# Altium PCB TIDA-010933-RevA.PcbDoc (part 7 of 9) (continued)
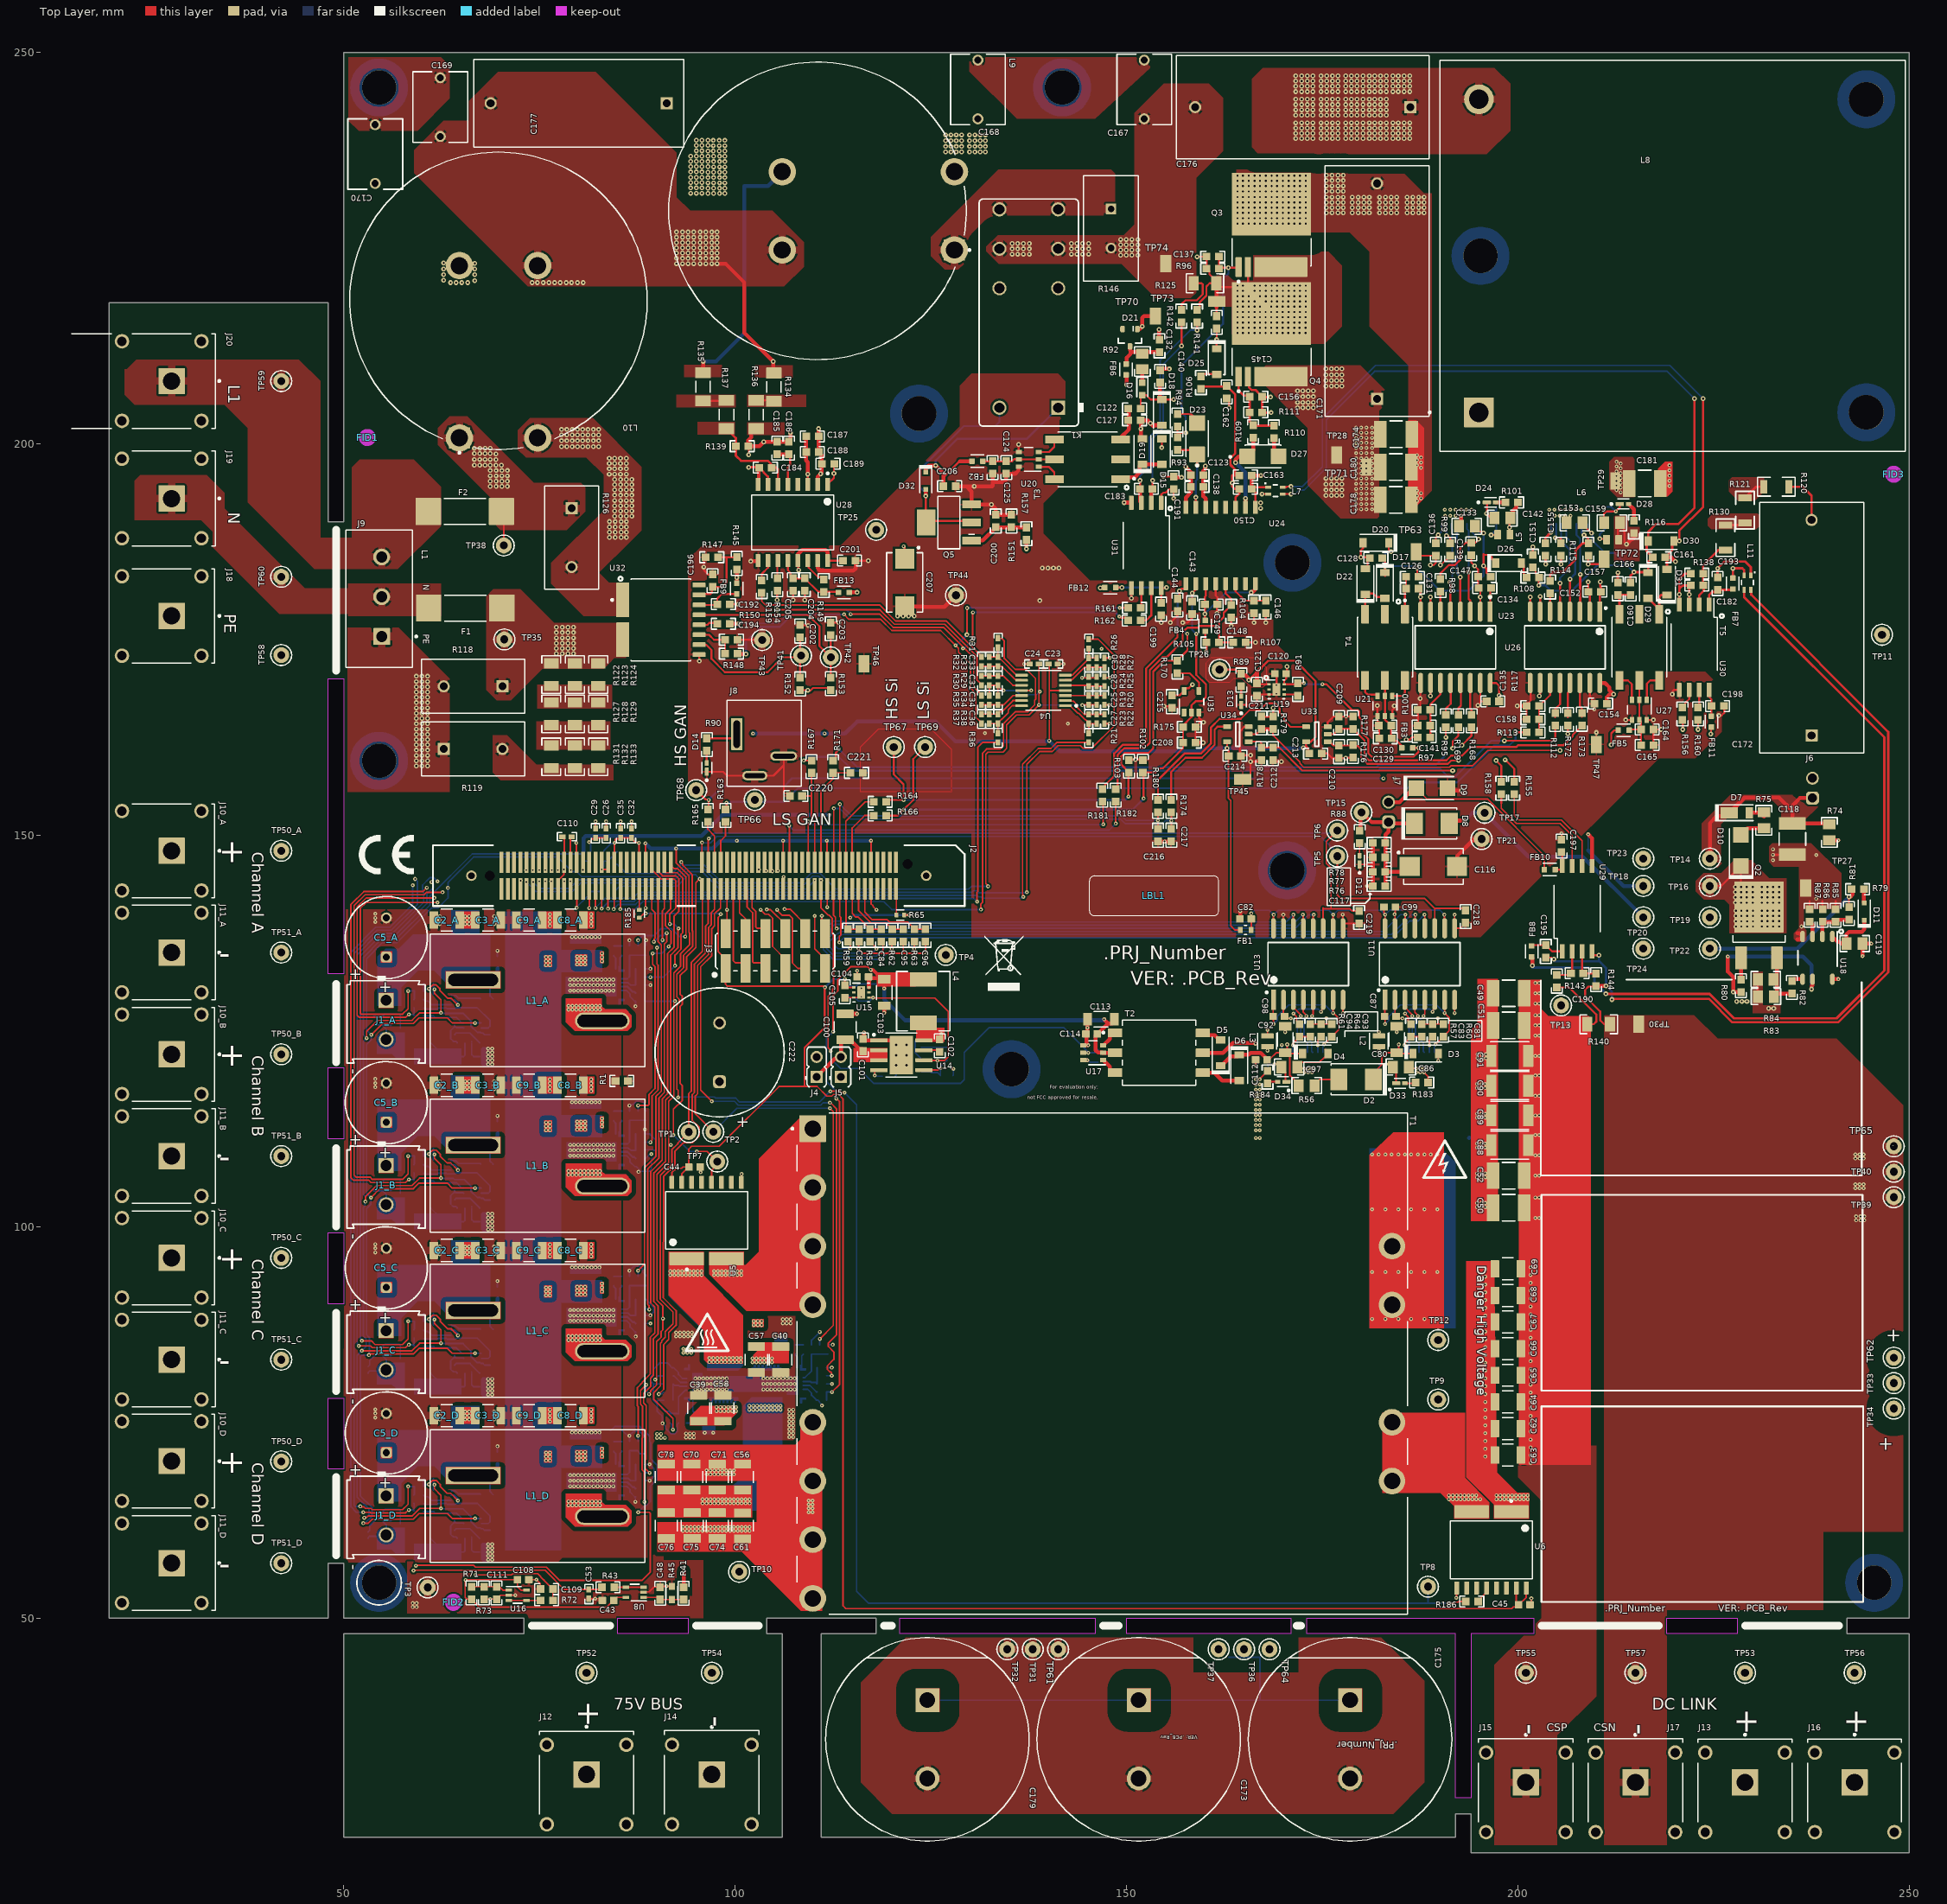
[diagram p0: Top Layer view]
## Nets (pads, with @x,y where several pads share a name; then routed paths per layer and width w, separated by ;. In a path a pad name is that pad's centre, name@x,y a point inside that pad or via, vN(x,y) a via of type N, cw(c..) or ccw(c..) an arc to the next point about the centre after c; other vN are vias at no path point) (continued)
NetQ2_1: Q2.1 R80.2 | length 2.8
  Top Layer w0.5: R80.2@228.49,131.55 Q2.1@228.49,134.325
NetQ2_3: Q2.3 R82.2 R83.2 R84.2 | length 6.5
  Top Layer w0.5: Q2.3@233.06,134.325 233.06,129.744 233.071,129.755 R82.2@235,129.755
NetR7_A_2: R7_A.2 U1_A.14 | length 2.1
  Bottom Layer w0.25: U1_A.14@85.495,130.647 86.22,130.647 86.877,129.991 87.086,129.991 R7_A.2@87.261,129.816
NetR7_B_2: R7_B.2 U1_B.14 | length 2.1
  Bottom Layer w0.25: U1_B.14@85.495,109.547 86.22,109.547 86.877,108.891 87.086,108.891 R7_B.2@87.261,108.716
NetR7_C_2: R7_C.2 U1_C.14 | length 2.1
  Bottom Layer w0.25: U1_C.14@85.495,88.447 86.22,88.447 86.877,87.791 87.086,87.791 R7_C.2@87.261,87.616
NetR7_D_2: R7_D.2 U1_D.14 | length 2.1
  Bottom Layer w0.25: U1_D.14@85.495,67.347 86.22,67.347 86.877,66.691 87.086,66.691 R7_D.2@87.261,66.516
NetR9_A_1: R9_A.1 U2_A.3 U2_A.4 | length 3.8
  Bottom Layer w0.2: R9_A.1@60.15,129 60.35,128.8 60.75,128.8 61.225,128.325 U2_A.4@61.45,128.325 U2_A.3@63.7,128.325
NetR9_B_1: R9_B.1 U2_B.3 U2_B.4 | length 3.8
  Bottom Layer w0.2: R9_B.1@60.15,107.9 60.35,107.7 60.75,107.7 61.225,107.225 U2_B.4@61.45,107.225 U2_B.3@63.7,107.225
NetR9_C_1: R9_C.1 U2_C.3 U2_C.4 | length 3.8
  Bottom Layer w0.2: R9_C.1@60.15,86.8 60.35,86.6 60.75,86.6 61.225,86.125 U2_C.4@61.45,86.125 U2_C.3@63.7,86.125
NetR9_D_1: R9_D.1 U2_D.3 U2_D.4 | length 3.8
  Bottom Layer w0.2: R9_D.1@60.15,65.7 60.35,65.5 60.75,65.5 61.225,65.025 U2_D.4@61.45,65.025 U2_D.3@63.7,65.025
NetR10_A_2: R10_A.2 U1_A.10 | length 1.8
  Bottom Layer w0.2: R10_A.2@84.486,134.641 84.486,134.541 84.72,134.306 U1_A.10@84.72,132.922
NetR10_B_2: R10_B.2 U1_B.10 | length 1.8
  Bottom Layer w0.2: R10_B.2@84.486,113.541 84.486,113.441 84.72,113.206 U1_B.10@84.72,111.822
NetR10_C_2: R10_C.2 U1_C.10 | length 1.8
  Bottom Layer w0.2: R10_C.2@84.486,92.441 84.486,92.341 84.72,92.106 U1_C.10@84.72,90.722
NetR10_D_2: R10_D.2 U1_D.10 | length 1.8
  Bottom Layer w0.2: R10_D.2@84.486,71.341 84.486,71.241 84.72,71.006 U1_D.10@84.72,69.622
NetR16_A_1: R16_A.1 U3_A.6 | length 5.5
  Bottom Layer w0.2: R16_A.1@60.15,126.9 61.458,126.9 61.658,126.7 64.39,126.7 65.075,126.015 U3_A.6@65.325,126.015
NetR16_B_1: R16_B.1 U3_B.6 | length 5.5
  Bottom Layer w0.2: R16_B.1@60.15,105.8 61.458,105.8 61.658,105.6 64.39,105.6 65.075,104.915 U3_B.6@65.325,104.915
NetR16_C_1: R16_C.1 U3_C.6 | length 5.5
  Bottom Layer w0.2: R16_C.1@60.15,84.7 61.458,84.7 61.658,84.5 64.39,84.5 65.075,83.815 U3_C.6@65.325,83.815
NetR16_D_1: R16_D.1 U3_D.6 | length 5.5
  Bottom Layer w0.2: R16_D.1@60.15,63.6 61.458,63.6 61.658,63.4 64.39,63.4 65.075,62.715 U3_D.6@65.325,62.715
NetR39_1: R39.1 TP7.1 U5.6 | length 56.6
  Top Layer w0.2: v1(92.1,111.7) 92.1,114.988 93.245,116.133 93.245,118 92.945,118.3 92.945,128.107 93.245,128.406 93.245,129.031 93.245,129.4 92.945,129.7 92.945,132.053 93.794,132.902 93.794,134.472 94.963,135.641 94.963,143.942 95.421,144.4 v1(95.475,144.4) ; v1(95.1,109.6) 96.4,109.6 TP7.1@97.7,108.3 97.7,107.889 96.975,107.164 U5.6@96.975,105.65
  Bottom Layer w0.2: R39.1@84.543,142.8 84.568,142.8 85.268,143.5 92.6,143.5 94.05,144.95 94.649,144.95 94.925,144.95 v1(95.475,144.4) ; v1(92.1,111.7) 94.2,109.6 v1(95.1,109.6)
NetR40_2: R40.2 R186.2 TP8.1 | length 208.5
  Top Layer w0.2: v1(92.695,116.5) 92.695,117.405 92.545,117.555 92.545,128.272 92.845,128.572 92.845,128.865 92.845,129.028 92.545,129.328 92.545,132.219 93.394,133.067 93.394,134.638 94.563,135.807 94.563,137.754 94.493,137.824 94.493,144.97 93.293,146.17 93.293,146.301 93.11,146.483 v1(93.11,146.564) ; v1(112.157,117.266) 112.172,117.281 113.374,117.281 113.497,117.158 113.91,117.158 v1(113.967,117.1) ; v1(191.3,51.9) 191.7,51.9 191.853,52.053 191.879,52.027 192.334,52.027 192.408,52.1 R186.2@193.3,52.1
  Bottom Layer w0.2: R40.2@84.9,146.3 84.9,146.275 85.275,145.9 85.3,145.9 86.1,145.1 91.928,145.1 93,146.172 93,146.373 93.11,146.483 v1(93.11,146.564) ; v1(92.695,116.5) 92.745,116.55 97.35,116.55 97.5,116.4 100.075,116.4 100.566,115.909 110.734,115.909 112.091,117.266 v1(112.157,117.266) ; v1(113.967,117.1) 115.5,115.567 115.5,53.4 117,51.9 188.5,51.9 ; TP8.1@188.5,54 188.5,51.9 ; v1(191.3,51.9) 188.5,51.9
NetR42_2: R42.2 U7.14 | length 2.1
  Bottom Layer w0.2: R42.2@92.043,80.925 92.143,80.925 92.978,80.091 U7.14@93.815,80.091
NetR43_1: R43.1 U8.3 U8.4 | length 3.7
  Top Layer w0.2: R43.1@84.54,53.927 U8.4@86.035,53.927 U8.3@88.285,53.927
NetR44_2: R44.2 U7.10 | length 1.8
  Bottom Layer w0.2: U7.10@94.59,77.816 94.59,76.432 94.825,76.197 R44.2@94.825,76.097
NetR50_2: R50.2 U9.14 | length 2.1
  Bottom Layer w0.2: U9.14@108.678,79.709 109.516,79.709 110.35,78.875 R50.2@110.45,78.875
NetR51_2: R51.2 U9.10 | length 1.8
  Bottom Layer w0.2: R51.2@107.668,83.703 107.668,83.603 107.903,83.368 U9.10@107.903,81.984
NetR57_1: R57.1 U11.6 | length 7.2
  Top Layer w0.2: v1(185.567,127.208) 185.567,127.197 185.951,126.814 185.951,126.25 R57.1@186.326,125.875 ; v1(189.076,127.45) 189.133,127.507 189.133,127.632 189.356,127.855 U11.6@189.356,128.96
  Bottom Layer w0.2: v1(185.567,127.208) 185.649,127.208 186.215,127.775 188.751,127.775 v1(189.076,127.45)
NetR58_2: R58.2 U11.14 | length 85.3
  Top Layer w0.2: R58.2@117.229,136.4 117.229,136.375 117.981,135.623 117.981,135.526 v1(118.038,135.469) ; U11.14@185.546,138.09 185.573,138.118 185.573,139.824 v1(185.6,139.851)
  Bottom Layer w0.2: v1(118.038,135.469) 117.513,134.944 117.3,134.944 112.81,134.944 112.056,135.698 112.056,136.433 113.066,137.444 113.186,137.444 113.442,137.7 182.824,137.7 184.975,139.851 v1(185.6,139.851)
NetR59_2: R59.2 U11.13 | length 81.2
  Top Layer w0.2: R59.2@114.4,136.4 114.7,136.1 v1(114.7,135.494) ; U11.13@186.816,138.09 186.858,138.133 186.858,139.793 v1(186.9,139.835)
  Bottom Layer w0.2: v1(114.7,135.494) 113.127,135.494 112.676,135.944 112.676,136.454 113.198,136.976 113.284,136.976 113.608,137.3 183.827,137.3 186.35,139.823 186.889,139.823 v1(186.9,139.835)
NetR60_2: R60.2 U10.50 | length 2.2
  Top Layer w0.2: v1(188.676,123.175) 188.676,123.725 188.701,123.75 188.701,123.9 R60.2@189.076,124.275
  Bottom Layer w0.2: U10.50@188.661,122.25 188.668,122.257 188.668,123.167 v1(188.676,123.175)
NetR61_1: R61.1 U13.6 | length 7.2
  Top Layer w0.2: v1(171.317,127.208) 171.317,127.197 171.701,126.814 171.701,126.25 R61.1@172.076,125.875 ; v1(174.826,127.45) 174.883,127.507 174.883,127.632 175.106,127.855 U13.6@175.106,128.96
  Bottom Layer w0.2: v1(171.317,127.208) 171.399,127.208 171.965,127.775 174.501,127.775 v1(174.826,127.45)
NetR62_2: R62.2 U13.14 | length 75.9
  Top Layer w0.2: v1(120,135.469) 120,136.343 R62.2@120.057,136.4 ; U13.14@171.296,138.09 171.298,138.093 171.298,139.831 v1(171.301,139.834)
  Bottom Layer w0.2: v1(120,135.469) 118.675,134.144 112.478,134.144 111.256,135.367 111.256,136.764 111.878,137.387 111.878,138.33 112.556,139.009 113.671,139.009 113.779,138.9 170.367,138.9 v1(171.301,139.834)
NetR63_2: R63.2 U13.13 | length 79.1
  Top Layer w0.2: v1(122.87,135.473) 122.886,135.489 R63.2@122.886,136.4 ; v1(172.5,139.836) 172.566,139.771 U13.13@172.566,138.09
  Bottom Layer w0.2: v1(122.87,135.473) 122.324,136.019 119.514,136.019 118.038,134.544 112.644,134.544 111.656,135.532 111.656,136.599 112.278,137.221 112.278,138.037 112.4,138.159 112.4,138.287 112.722,138.609 113.442,138.609 113.551,138.5 171.164,138.5 v1(172.5,139.836)
NetR64_2: R64.2 U12.50 | length 2.2
  Top Layer w0.2: v1(174.426,123.175) 174.426,123.725 174.451,123.75 174.451,123.9 R64.2@174.826,124.275
  Bottom Layer w0.2: U12.50@174.411,122.25 174.418,122.257 174.418,123.167 v1(174.426,123.175)
NetR67_1: R67.1 U14.6 U15.4 | length 23.6
  Top Layer w0.2: U15.4@117.075,129.25 v1(117.6,129.25) 117.65,129.2 125.5,129.2 127.2,127.5 127.2,121.7 126.7,121.2 v1(125.82,121.2) 125.787,121.233 124.127,121.233 U14.6@124.095,121.265
  Bottom Layer w0.2: R67.1@114.5,129.5 114.5,129.4 114.7,129.2 115.314,129.2 115.714,128.8 117.15,128.8 v1(117.6,129.25)
NetR70_2: R70.2 U14.4 | length 2.2
  Top Layer w0.2: v1(117.82,119.3) 117.82,119.845 117.97,119.995 U14.4@118.345,119.995
  Bottom Layer w0.2: v1(117.82,119.3) 117.901,119.3 118.001,119.2 R70.2@118.82,119.2
NetR72_1: R72.1 U16.3 U16.4 | length 4
  Top Layer w0.2: U16.3@71.075,52.25 U16.4@73.325,52.25 R72.1@75.1,52.25
NetR74_1: R74.1 U18.8 | length 19.7
  Top Layer w0.5: R74.1@239.768,149.341 v1(240.9,149.341) ; U18.8@240.155,131.6 v1(240.925,131.6)
  Layer 1 w0.5: v1(240.9,149.341) 240.925,149.316 v1(240.925,131.6)
NetR79_2: R79.2 R81.2 TP22.1 | length 23.2
  Top Layer w0.254: R81.2@242.282,140.8 v2(242.282,142.122)
  Top Layer w0.5: v2(242.282,142.122) 242.453,142.122 242.746,142.415 242.746,142.934 R79.2@242.582,143.097
  Bottom Layer w0.254: v2(242.282,142.122) v2@242.282,142.155
  Bottom Layer w0.5: TP22.1@224.5,135.5 235.66,135.5 v2(242.282,142.122)
NetR80_1: R80.1 U18.6 | length 21
  Top Layer w0.5: v1(226.8,134.5) 226.8,132.579 227.486,131.894 v2(227.486,129.943) R80.1@228.484,129.943 ; 237.521,130.699 237.615,130.793 U18.6@237.615,131.6
  Bottom Layer w0.5: v1(226.8,134.5) 236.4,134.5 237.5,133.4 v2(237.5,130.324)
NetR81_1: R81.1 R85.2 R86.2 U18.2 | length 5.4
  Top Layer w0.254: R85.2@240.557,138.95 R85.2@240.682,139.075
  Top Layer w0.5: U18.2@238.885,137.05 238.885,138.919 240.526,138.919 R85.2@240.557,138.95 ; R85.2@240.682,139.075 240.807,139.2 R81.1@242.282,139.2
NetR82_1: R82.1 U18.5 | length 1.4
  Top Layer w0.5: R82.1@235,131.355 235.245,131.6 U18.5@236.345,131.6
NetR87_2: R87.2 U18.3 | length 2.1
  Top Layer w0.5: R87.2@237.25,138.95 237.615,138.585 U18.3@237.615,137.05
NetR95_2: R95.2 U23.12 | length 4.3
  Top Layer w0.254: R95.2@190.772,165.392 190.772,166.142 191.415,166.785 191.415,169.384 U23.12@191.365,169.434
NetR98_1: R98.1 U23.6 | length 2.5
  Top Layer w0.254: U23.6@190.095,178.565 R98.1@190.095,181.097
NetR99_1: R99.1 U22.50 | length 2.8
  Top Layer w0.254: v2(190.865,188.273) 190.933,188.205 191.036,188.205 191.365,187.876 191.365,187.349 R99.1@191.316,187.3
  Bottom Layer w0.254: v2(190.865,188.273) U22.50@190.865,189.775
NetR112_2: R112.2 U26.12 | length 4.6
  Top Layer w0.254: R112.2@204.743,165.075 204.743,166.093 205.374,166.724 205.374,169.425 U26.12@205.365,169.434
NetR114_1: R114.1 U26.6 | length 2.3
  Top Layer w0.305: U26.6@204.095,178.565 R114.1@204.095,180.9
NetR115_1: R115.1 U25.50 | length 2.9
  Top Layer w0.254: v2(204.775,188.001) 205.351,188.001 205.5,187.852 R115.1@205.5,187.3
  Bottom Layer w0.254: v2@204.865,188.187 U25.50@204.865,189.775
NetR120_1: R120.1 R121.2 | length 3.3
  Top Layer w0.305: R121.2@229,193.1 230.4,194.5 R120.1@231.4,194.5 ; R121.2@229.3,192.9 R121.2@229.5,193.1
NetR121_1: R121.1 R130.2 | length 2.6
  Top Layer w0.305: R130.2@227,189.6 229.2,189.6 R121.1@229.5,189.9
NetR122_1: R122.1 R123.1 R124.1 R127.2 R128.2 R129.2
NetR127_1: R127.1 R128.1 R129.1 R131.2 R132.2 R133.2
NetR134_1: R134.1 R136.2 | length 2.3
  Top Layer w0.254: R136.2@102.675,205.52 104.836,205.52 R134.1@104.925,205.431
NetR135_1: R135.1 R137.2 | length 3
  Top Layer w0.254: R135.1@95.875,205.481 98.836,205.481 R137.2@98.875,205.52
NetR149_1: R149.1 U28.14 | length 3.5
  Top Layer w0.254: U28.14@109.259,185.066 109.376,184.949 109.376,184.165 110.593,182.948 111.022,182.948 R149.1@111.3,182.67
NetR150_2: R150.2 U32.6 | length 2.5
  Top Layer w0.254: U32.6@95.375,176.865 96.439,176.865 96.669,177.095 97.605,177.095 R150.2@97.7,177
NetR154_1: R154.1 U28.11 | length 2.3
  Top Layer w0.254: R154.1@105.379,182.8 105.379,184.996 U28.11@105.449,185.066
NetR155_2: R155.2 U29.6 | length 15.9
  Top Layer w0.2: R155.2@199.512,155.2 199.512,152.515 200.1,151.927 205.527,151.927 208.185,149.269 U29.6@208.185,146.05
NetR156_2: R156.2 U30.6 | length 2.6
  Top Layer w0.254: R156.2@221,166.3 221.348,166.648 221.348,166.865 221.865,167.382 U30.6@221.865,168.55
NetR158_2: R158.2 U29.7 | length 16.1
  Top Layer w0.2: 197.865,154.103 197.865,153.435 199.8,151.5 205.35,151.5 206.915,149.935 U29.7@206.915,146.05
  Top Layer w0.254: 197.865,154.103 R158.2@197.865,155.175
NetR159_1: R159.1 U28.10 | length 2.6
  Top Layer w0.254: R159.1@103.379,182.8 103.379,183.376 104.179,184.176 U28.10@104.179,185.066
NetR160_2: R160.2 U30.7 | length 2.3
  Top Layer w0.254: R160.2@223,166.3 223.135,166.435 U30.7@223.135,168.55
NetR161_2: R161.2 U31.6 | length 2.5
  Top Layer w0.254: R161.2@151.797,179.034 151.865,179.102 U31.6@151.865,181.55
NetR162_2: R162.2 U31.7 | length 5.1
  Top Layer w0.254: R162.2@151.776,177.424 152.499,177.424 153.135,178.059 U31.7@153.135,181.55
NetR170_1: R170.1 U35.4 | length 4.7
  Top Layer w0.254: R170.1@156.471,170.678 158.075,170.678 159.26,169.493 U35.4@159.26,168.038
NetR186_1: R186.1 U6.6 | length 2.2
  Top Layer w0.2: R186.1@194.9,52.1 194.925,52.1 195.3,52.475 195.3,52.635 195.965,53.3 U6.6@195.965,53.825
NetT1_1: T1.1 T1.2 T1.3 T1.4 U5.2
  other v1: 97.28,93.8 97.78,93.8 98.28,93.8 98.78,93.8 99.28,93.8 99.78,93.8 100.28,93.8 100.78,93.8 97.28,94.3 97.78,94.3 98.28,94.3 98.78,94.3 99.28,94.3 99.78,94.3 100.28,94.3 100.78,94.3
NetT2_1: T2.1 U17.3 | length 2.5
  Top Layer w0.5: U17.3@146.895,123.15 147.02,123.15 147.835,123.965 147.835,124.445 148.13,124.74 T2.1@148.5,124.74
NetT2_3: T2.3 U17.1 | length 2.5
  Top Layer w0.5: U17.1@146.895,121.25 147.02,121.25 147.835,120.435 147.835,119.955 148.13,119.66 T2.3@148.5,119.66
NetT3_4: T3.4 U20.3 | length 3.2
  Top Layer w0.254: U20.3@138.775,198.95 140.104,198.95 140.763,199.608 T3.4@140.763,200.54
NetT3_6: T3.6 U20.1 | length 3.2
  Top Layer w0.254: U20.1@138.775,197.05 140.046,197.05 140.763,196.334 T3.6@140.763,195.46
NetT4_4: T4.4 U21.3 | length 3.3
  Top Layer w0.254: T4.4@180.46,169.762 180.46,168.278 180.778,167.96 181.865,167.96 U21.3@182.05,167.775
NetT4_6: T4.6 U21.1 | length 3.4
  Top Layer w0.254: U21.1@183.95,167.775 185.19,167.775 185.54,168.125 T4.6@185.54,169.762
NetT5_4: T5.4 U27.3 | length 3.8
  Top Layer w0.254: T5.4@212.96,169.762 214.047,169.762 214.55,169.259 U27.3@214.55,167.275
NetT5_6: T5.6 U27.1 | length 3.8
  Top Layer w0.254: U27.1@216.45,167.275 216.45,169.321 216.891,169.762 T5.6@218.04,169.762
NetTP48_1: TP48.1 U5.1 U7.5 | length 6.5
  Bottom Layer w0.2: U7.5@98.5,81.884 TP48.1@98.5,85.975 ; 98.6,87.45 98.617,87.433 98.617,87.05 98.7,86.967 TP48.1@98.7,85.125
  other v1: 96.7,82.7 97.2,82.7 97.7,82.7 98.2,82.7 98.7,82.7 99.2,82.7 99.7,82.7 100.2,82.7 100.7,82.7 96.7,83.2 97.2,83.2 97.7,83.2 98.2,83.2 98.7,83.2 99.2,83.2 99.7,83.2 100.2,83.2 100.7,83.2 91.7,93.8 92.2,93.8 92.7,93.8 93.2,93.8 93.7,93.8 94.2,93.8 94.7,93.8 95.2,93.8 95.7,93.8 91.7,94.3 92.2,94.3 92.7,94.3 93.2,94.3 93.7,94.3 94.2,94.3 94.7,94.3 95.2,94.3 95.7,94.3
NetU22_46: U22.46 U23.3 | length 11.4
  Top Layer w0.254: v2(193.684,183.597) 193.684,180.17 193.905,179.949 U23.3@193.905,178.565
  Bottom Layer w0.2: U22.46@193.465,189.775 193.465,189.12 193.684,188.9 v2(193.684,183.597)
NetU22_48: U22.48 U23.4 | length 11.4
  Top Layer w0.254: U23.4@192.635,178.565 v2(192.635,182.951)
  Bottom Layer w0.254: U22.48@192.165,189.775 192.165,183.421 v2(192.635,182.951)
NetU22_49: U22.49 U23.5 | length 11.4
  Top Layer w0.254: v2(191.316,182.27) 191.365,182.221 U23.5@191.365,178.565
  Bottom Layer w0.254: v2(191.316,182.27) 191.601,182.555 191.601,189.034 191.515,189.12 U22.49@191.515,189.775
NetU25_46: U25.46 U26.3 | length 11.4
  Top Layer w0.305: U26.3@207.905,178.565 207.94,178.6 v2(207.94,183.312)
  Bottom Layer w0.254: U25.46@207.465,189.775 207.465,188.341 207.94,187.867 v2(207.94,183.312)
NetU25_48: U25.48 U26.4 | length 11.9
  Top Layer w0.305: U26.4@206.635,178.565 v2(206.635,182.707)
  Bottom Layer w0.254: U25.48@206.165,189.775 206.165,188.044 207.29,186.919 207.29,183.361 v2(206.635,182.707)
NetU25_49: U25.49 U26.5 | length 12.2
  Top Layer w0.305: U26.5@205.365,178.565 205.37,178.57 205.37,182.188 v2(205.374,182.193)
  Bottom Layer w0.254: v2(205.374,182.193) 205.374,182.837 206.561,184.024 206.561,186.513 205.5,187.574 205.5,189.76 U25.49@205.515,189.775
O\C\_\G\a\N\: R174.1 U34.4 | length 14.2
  Top Layer w0.254: R174.1@155.7,154.5 155.7,158.096 157.5,159.896 159.6,159.896 161.236,161.532 161.236,163.476 161.609,163.849 U34.4@162.83,163.849
O\C\_\H\S\_\G\a\N\: R169.1 U23.13 | length 4.2
  Top Layer w0.254: R169.1@192.377,165.392 192.377,166.194 192.708,166.525 192.708,169.361 U23.13@192.635,169.434
O\C\_\L\S\_\G\a\N\: R172.1 U26.13 | length 4.5
  Top Layer w0.254: R172.1@206.377,165.075 206.377,168.154 206.635,168.412 U26.13@206.635,169.434
OC_H: U10.48 U11.4 | length 7.6
  Top Layer w0.2: U11.4@186.865,128.91 U11.4@186.816,128.96 186.816,127.363 187.201,126.978 v1(187.201,126.9)
  Bottom Layer w0.2: v1(187.201,126.9) 187.201,126.822 186.501,126.122 186.501,124.279 187.361,123.419 U10.48@187.361,122.25
OC_L: U12.48 U13.4 | length 7.6
  Top Layer w0.2: U13.4@172.615,128.91 U13.4@172.566,128.96 172.566,127.363 172.951,126.978 v1(172.951,126.9)
  Bottom Layer w0.2: v1(172.951,126.9) 172.951,126.822 172.251,126.122 172.251,124.279 173.111,123.419 U12.48@173.111,122.25
PFC_FAULT: C216.1 J2.102 R180.2 | length 51
  Top Layer w0.2: J2.102@113.343,146.522 113.356,146.535 113.356,153.937 v1(113.369,153.95) ; C216.1@154,150.8 v1(154,151.875) R180.2@154,152.9
  Bottom Layer w0.2: v1(113.369,153.95) 114.875,152.444 149.4,152.444 149.969,151.875 v1(154,151.875)
PFC_H_PWM: J2.62 R165.2 | length 5.6
  Top Layer w0.2: R165.2@96.5,151.7 96.5,150.75 97.343,149.907 J2.62@97.343,146.522 J2.62@97.321,146.543
PFC_H_TEMP: C221.2 J2.96 R171.2 | length 14.3
  Top Layer w0.2: J2.96@110.943,146.522 110.957,146.536 110.957,155.707 112.5,157.25 R171.2@112.5,157.95 C221.2@114.7,157.95
PFC_L_PWM: J2.64 R163.2 | length 5.4
  Top Layer w0.2: J2.64@98.143,146.522 98.143,149.3 98.75,149.907 R163.2@98.75,151.7
PFC_L_TEMP: C220.1 J2.94 R167.2 | length 12.8
  Top Layer w0.2: C220.1@108.55,155 109.736,155 109.75,155.014 ; R167.2@109.75,157.95 109.75,155.014 ; J2.94@110.143,146.522 110.143,151.685 109.75,152.078 109.75,155.014
PFC_OC: C217.1 J2.100 R174.2 | length 53.2
  Top Layer w0.2: J2.100@112.543,146.522 112.571,146.551 112.571,153.371 v1(112.6,153.4) ; C217.1@155.7,150.8 v1(155.7,151.85) R174.2@155.7,152.9
  Bottom Layer w0.2: v1(112.6,153.4) 113.354,153.4 114.71,152.044 149.234,152.044 149.803,151.475 153.2,151.475 153.35,151.325 154.433,151.325 154.958,151.85 v1(155.7,151.85)
PFC_RECT_H_PWM: J2.104 R164.1 | length 9.9
  Top Layer w0.2: J2.104@114.143,146.522 114.121,146.543 114.121,151.758 116.613,154.25 R164.1@117.7,154.25
PFC_RECT_L_PWM: J2.106 R166.1 | length 7.8
  Top Layer w0.2: J2.106@114.943,146.522 114.921,146.543 114.921,150.9 116.521,152.5 R166.1@117.7,152.5
PGND_LV: C2_A.1 C2_B.1 C2_C.1 C2_D.1 C3_A.1 C3_B.1 C3_C.1 C3_D.1 C4_A.2 C4_B.2 C4_C.2 C4_D.2 C5_A.2 C5_B.2 C5_C.2 C5_D.2 C8_A.1 C8_B.1 C8_C.1 C8_D.1 C9_A.1 C9_B.1 C9_C.1 C9_D.1 C11_A.2 C11_B.2 C11_C.2 C11_D.2 C12_A.2 C12_B.2 C12_C.2 C12_D.2 C13_A.2 C13_B.2 C13_C.2 C13_D.2 C14_A.2 C14_B.2 C14_C.2 C14_D.2 C39.1 C40.1 C41.2 C42.2 C57.1 C58.1 C59.2 C60.2 C222.2 J14.1 R1.2 R4_A.2 R4_B.2 R4_C.2 R4_D.2 R17_A.1 R17_B.1 R17_C.1 R17_D.1 TP10.1 TP54.1 U1_A.6 U1_B.6 U1_C.6 U1_D.6 U7.6 U9.6 | length 20.4
  Bottom Layer w0.2: R17_D.1@66.325,60.15 66.325,58.675 66.575,58.425 R4_D.2@67.375,58.425 ; R17_D.1@66.325,60.3 R17_D.1@66.325,60.35 ; R17_C.1@66.325,81.25 66.325,79.775 66.575,79.525 R4_C.2@67.375,79.525 ; R17_C.1@66.325,81.4 R17_C.1@66.325,81.45 ; R17_B.1@66.325,102.35 66.325,100.875 66.575,100.625 R4_B.2@67.375,100.625 ; R17_B.1@66.325,102.5 R17_B.1@66.325,102.55 ; R17_A.1@66.325,123.45 66.325,121.975 66.575,121.725 R4_A.2@67.375,121.725 ; R17_A.1@66.325,123.6 R17_A.1@66.325,123.65 ; C4_D.2@69.6,71.2 69.606,71.206 v1@69.606,71.835 ; C4_C.2@69.6,92.3 69.606,92.306 v1@69.606,92.935 ; C4_B.2@69.6,113.4 69.606,113.406 v1@69.606,114.035 ; C4_A.2@69.6,134.5 69.606,134.506 v1@69.606,135.135 ; v1@79.12,68.287 79.73,67.677 U1_D.6@79.73,67.522 ; U1_C.6@79.73,88.777 79.12,89.387 U1_C.6@79.73,88.777 ; U1_C.6@79.73,88.777 79.73,88.622 U1_C.6@79.73,88.777 ; U1_B.6@79.73,109.877 79.12,110.487 U1_B.6@79.73,109.877 ; U1_B.6@79.73,109.877 79.73,109.722 U1_B.6@79.73,109.877 ; U1_A.6@79.73,130.977 79.12,131.587 U1_A.6@79.73,130.977 ; U1_A.6@79.73,130.977 79.73,130.822 U1_A.6@79.73,130.977
  other v1: 68.44,57.425 68.94,57.425 68.44,57.925 68.94,57.925 68.44,58.425 68.94,58.425 68.44,58.925 68.94,58.925 68.44,59.425 68.94,59.425 78.911,66.838 79.411,66.838 79.911,66.838 80.411,66.838 80.911,66.838 81.411,66.838 81.911,66.838 82.411,66.838 82.911,66.838 83.411,66.838 83.911,66.838 84.411,66.838 78.911,67.538 79.411,67.538 79.911,67.538 80.411,67.538 80.911,67.538 81.411,67.538 81.911,67.538 82.411,67.538 82.911,67.538 83.411,67.538 83.911,67.538 84.411,67.538 78.911,68.238 79.411,68.238 79.911,68.238 80.411,68.238 80.911,68.238 81.411,68.238 81.911,68.238 82.411,68.238 82.911,68.238 83.411,68.238 83.911,68.238 84.411,68.238 69.606,71.935 93.715,73.067 94.215,73.067 94.715,73.067 106.903,73.1 107.403,73.1 93.715,73.567 94.215,73.567 94.715,73.567 106.903,73.6 107.403,73.6 96.1,73.65 97.175,73.65 79.136,73.691 79.636,73.691 80.136,73.691 80.636,73.691 81.136,73.691 81.636,73.691 82.136,73.691 82.636,73.691 106.903,74.1 107.403,74.1 106.903,74.6 107.403,74.6 81.593,75.1 106.903,75.1 107.403,75.1 62.25,75.35 69.2,75.35 54,75.6 81.593,75.6 106.903,75.6 107.403,75.6 62.25,75.85 69.2,75.85 81.593,76.1 106.903,76.1 107.403,76.1 54,76.125 62.25,76.35 69.2,76.35 81.593,76.6 106.903,76.6 107.403,76.6 54,76.65 68.44,78.525 68.94,78.525 68.44,79.025 68.94,79.025 94.9,79.2 95.4,79.2 95.9,79.2 96.4,79.2 96.9,79.2 97.4,79.2 97.9,79.2 98.4,79.2 98.9,79.2 103.593,79.2 104.093,79.2 104.593,79.2 105.093,79.2 105.593,79.2 106.093,79.2 106.593,79.2 107.093,79.2 107.593,79.2 68.44,79.525 68.94,79.525 94.9,79.9 95.4,79.9 95.9,79.9 96.4,79.9 96.9,79.9 97.4,79.9 97.9,79.9 98.4,79.9 98.9,79.9 103.593,79.9 104.093,79.9 104.593,79.9 105.093,79.9 105.593,79.9 106.093,79.9 106.593,79.9 107.093,79.9 107.593,79.9 68.44,80.025 68.94,80.025 68.44,80.525 68.94,80.525 94.9,80.6 95.4,80.6 95.9,80.6 96.4,80.6 96.9,80.6 97.4,80.6 97.9,80.6 98.4,80.6 98.9,80.6 103.593,80.6 104.093,80.6 104.593,80.6 105.093,80.6 105.593,80.6 106.093,80.6 106.593,80.6 107.093,80.6 107.593,80.6 92.45,85.975 92.95,85.975 93.45,85.975 93.95,85.975 94.45,85.975 105.318,86.15 106.393,86.15 92.45,86.475 92.95,86.475 93.45,86.475 93.95,86.475 94.45,86.475 106.075,87.65 106.575,87.65 107.075,87.65 78.911,87.938 79.411,87.938 79.911,87.938 80.411,87.938 80.911,87.938 81.411,87.938 81.911,87.938 82.411,87.938 82.911,87.938 83.411,87.938 83.911,87.938 84.411,87.938 106.075,88.15 106.575,88.15 107.075,88.15 78.911,88.638 79.411,88.638 79.911,88.638 80.411,88.638 80.911,88.638 81.411,88.638 81.911,88.638 82.411,88.638 82.911,88.638 83.411,88.638 83.911,88.638 84.411,88.638 78.911,89.338 79.411,89.338 79.911,89.338 80.411,89.338 80.911,89.338 81.411,89.338 81.911,89.338 82.411,89.338 82.911,89.338 83.411,89.338 83.911,89.338 84.411,89.338 69.606,93.035 79.136,94.791 79.636,94.791 80.136,94.791 80.636,94.791 81.136,94.791 81.636,94.791 82.136,94.791 82.636,94.791 81.593,96.2 62.25,96.45 69.2,96.45 54,96.7 81.593,96.7 62.25,96.95 69.2,96.95 81.593,97.2 54,97.225 62.25,97.45 69.2,97.45 81.593,97.7 54,97.75 68.44,99.625 68.94,99.625 68.44,100.125 68.94,100.125 68.44,100.625 68.94,100.625 68.44,101.125 68.94,101.125 68.44,101.625 68.94,101.625 78.911,109.038 79.411,109.038 79.911,109.038 80.411,109.038 80.911,109.038 81.411,109.038 81.911,109.038 82.411,109.038 82.911,109.038 83.411,109.038 83.911,109.038 84.411,109.038 78.911,109.738 79.411,109.738 79.911,109.738 80.411,109.738 80.911,109.738 81.411,109.738 81.911,109.738 82.411,109.738 82.911,109.738 83.411,109.738 83.911,109.738 84.411,109.738 78.911,110.438 79.411,110.438 79.911,110.438 80.411,110.438 80.911,110.438 81.411,110.438 81.911,110.438 82.411,110.438 82.911,110.438 83.411,110.438 83.911,110.438 84.411,110.438 69.606,114.135 79.136,115.891 79.636,115.891 80.136,115.891 80.636,115.891 81.136,115.891 81.636,115.891 82.136,115.891 82.636,115.891 81.593,117.3 62.25,117.55 69.2,117.55 54,117.8 81.593,117.8 62.25,118.05 69.2,118.05 81.593,118.3 54,118.325 62.25,118.55 69.2,118.55 81.593,118.8 54,118.85 68.44,120.725 68.94,120.725 68.44,121.225 68.94,121.225 68.44,121.725 68.94,121.725 68.44,122.225 68.94,122.225 68.44,122.725 68.94,122.725 78.911,130.138 79.411,130.138 79.911,130.138 80.411,130.138 80.911,130.138 81.411,130.138 81.911,130.138 82.411,130.138 82.911,130.138 83.411,130.138 83.911,130.138 84.411,130.138 78.911,130.838 79.411,130.838 79.911,130.838 80.411,130.838 80.911,130.838 81.411,130.838 81.911,130.838 82.411,130.838 82.911,130.838 83.411,130.838 83.911,130.838 84.411,130.838 78.911,131.538 79.411,131.538 79.911,131.538 80.411,131.538 80.911,131.538 81.411,131.538 81.911,131.538 82.411,131.538 82.911,131.538 83.411,131.538 83.911,131.538 84.411,131.538 69.606,135.235 79.136,136.991 79.636,136.991 80.136,136.991 80.636,136.991 81.136,136.991 81.636,136.991 82.136,136.991 82.636,136.991 81.593,138.4 62.25,138.65 69.2,138.65 54,138.9 81.593,138.9 62.25,139.15 69.2,139.15 81.593,139.4 54,139.425 62.25,139.65 69.2,139.65 81.593,139.9 54,139.95
PWM_HS_GaN: R97.1 R165.1 TP68.1 | length 98.5
  Top Layer w0.25: TP68.1@95,155.75 96.202,154.548 96.553,154.548 v1(96.601,154.5) 96.601,153.401 R165.1@96.5,153.3
  Top Layer w0.254: v2(185.73,162.213) 186.163,162.213 186.45,162.5 R97.1@187.2,162.5
  Layer 2 w0.25: v1(182.812,157.25) 185.73,160.168 v2(185.73,162.213)
  Bottom Layer w0.25: v1(96.601,154.5) 98.351,156.25 106.25,156.25 107.25,157.25 v1(182.812,157.25)
PWM_HS_Si: C144.1 R103.2 R164.2 R170.2 TP67.1 U24.1 | length 74.7
  Top Layer w0.254: R164.2@119.3,154.25 119.55,154.5 v1(121.5,154.5) 121.5,156.5 120.25,157.75 TP67.1@120.25,161.25 ; v1(150.226,154.93) 150.226,157.96 150.291,158.025 149.3,159.016 149.3,160.047 149.753,160.5 152.8,160.5 153.4,161.1 153.4,170.9 154.778,172.278 R170.2@156.471,172.278 156.471,172.303 157.758,173.591 157.758,175.703 v1(157.752,175.709) ; C144.1@156.5,180.197 156.725,180.422 v2(156.725,181.2) 157.003,181.478 157.382,181.478 157.555,181.651 U24.1@157.555,182.125
  Bottom Layer w0.254: v1(121.5,154.5) 149.797,154.5 v1(150.226,154.93) ; v2(156.725,181.2) 156.725,181.104 156.518,180.897 156.518,176.88 157.689,175.709 v1(157.752,175.709)
PWM_LS_GaN: R113.1 R163.1 TP66.1 | length 107.4
  Top Layer w0.254: R163.1@98.75,153.3 98.875,153.425 v1(98.875,154.125) ; v2(199.676,163.128) R113.1@201.097,163.128
  Bottom Layer w0.254: v1(98.875,154.125) 98.922,154.172 99.351,154.172 99.429,154.25 106.25,154.25 108,156 185.875,156 186.625,156.75 192.25,156.75 196.928,161.428 198.868,161.428 199.676,162.236 v2(199.676,163.128)